# Altium PCB as_x31.PcbDoc (part 3 of 4) (continued)
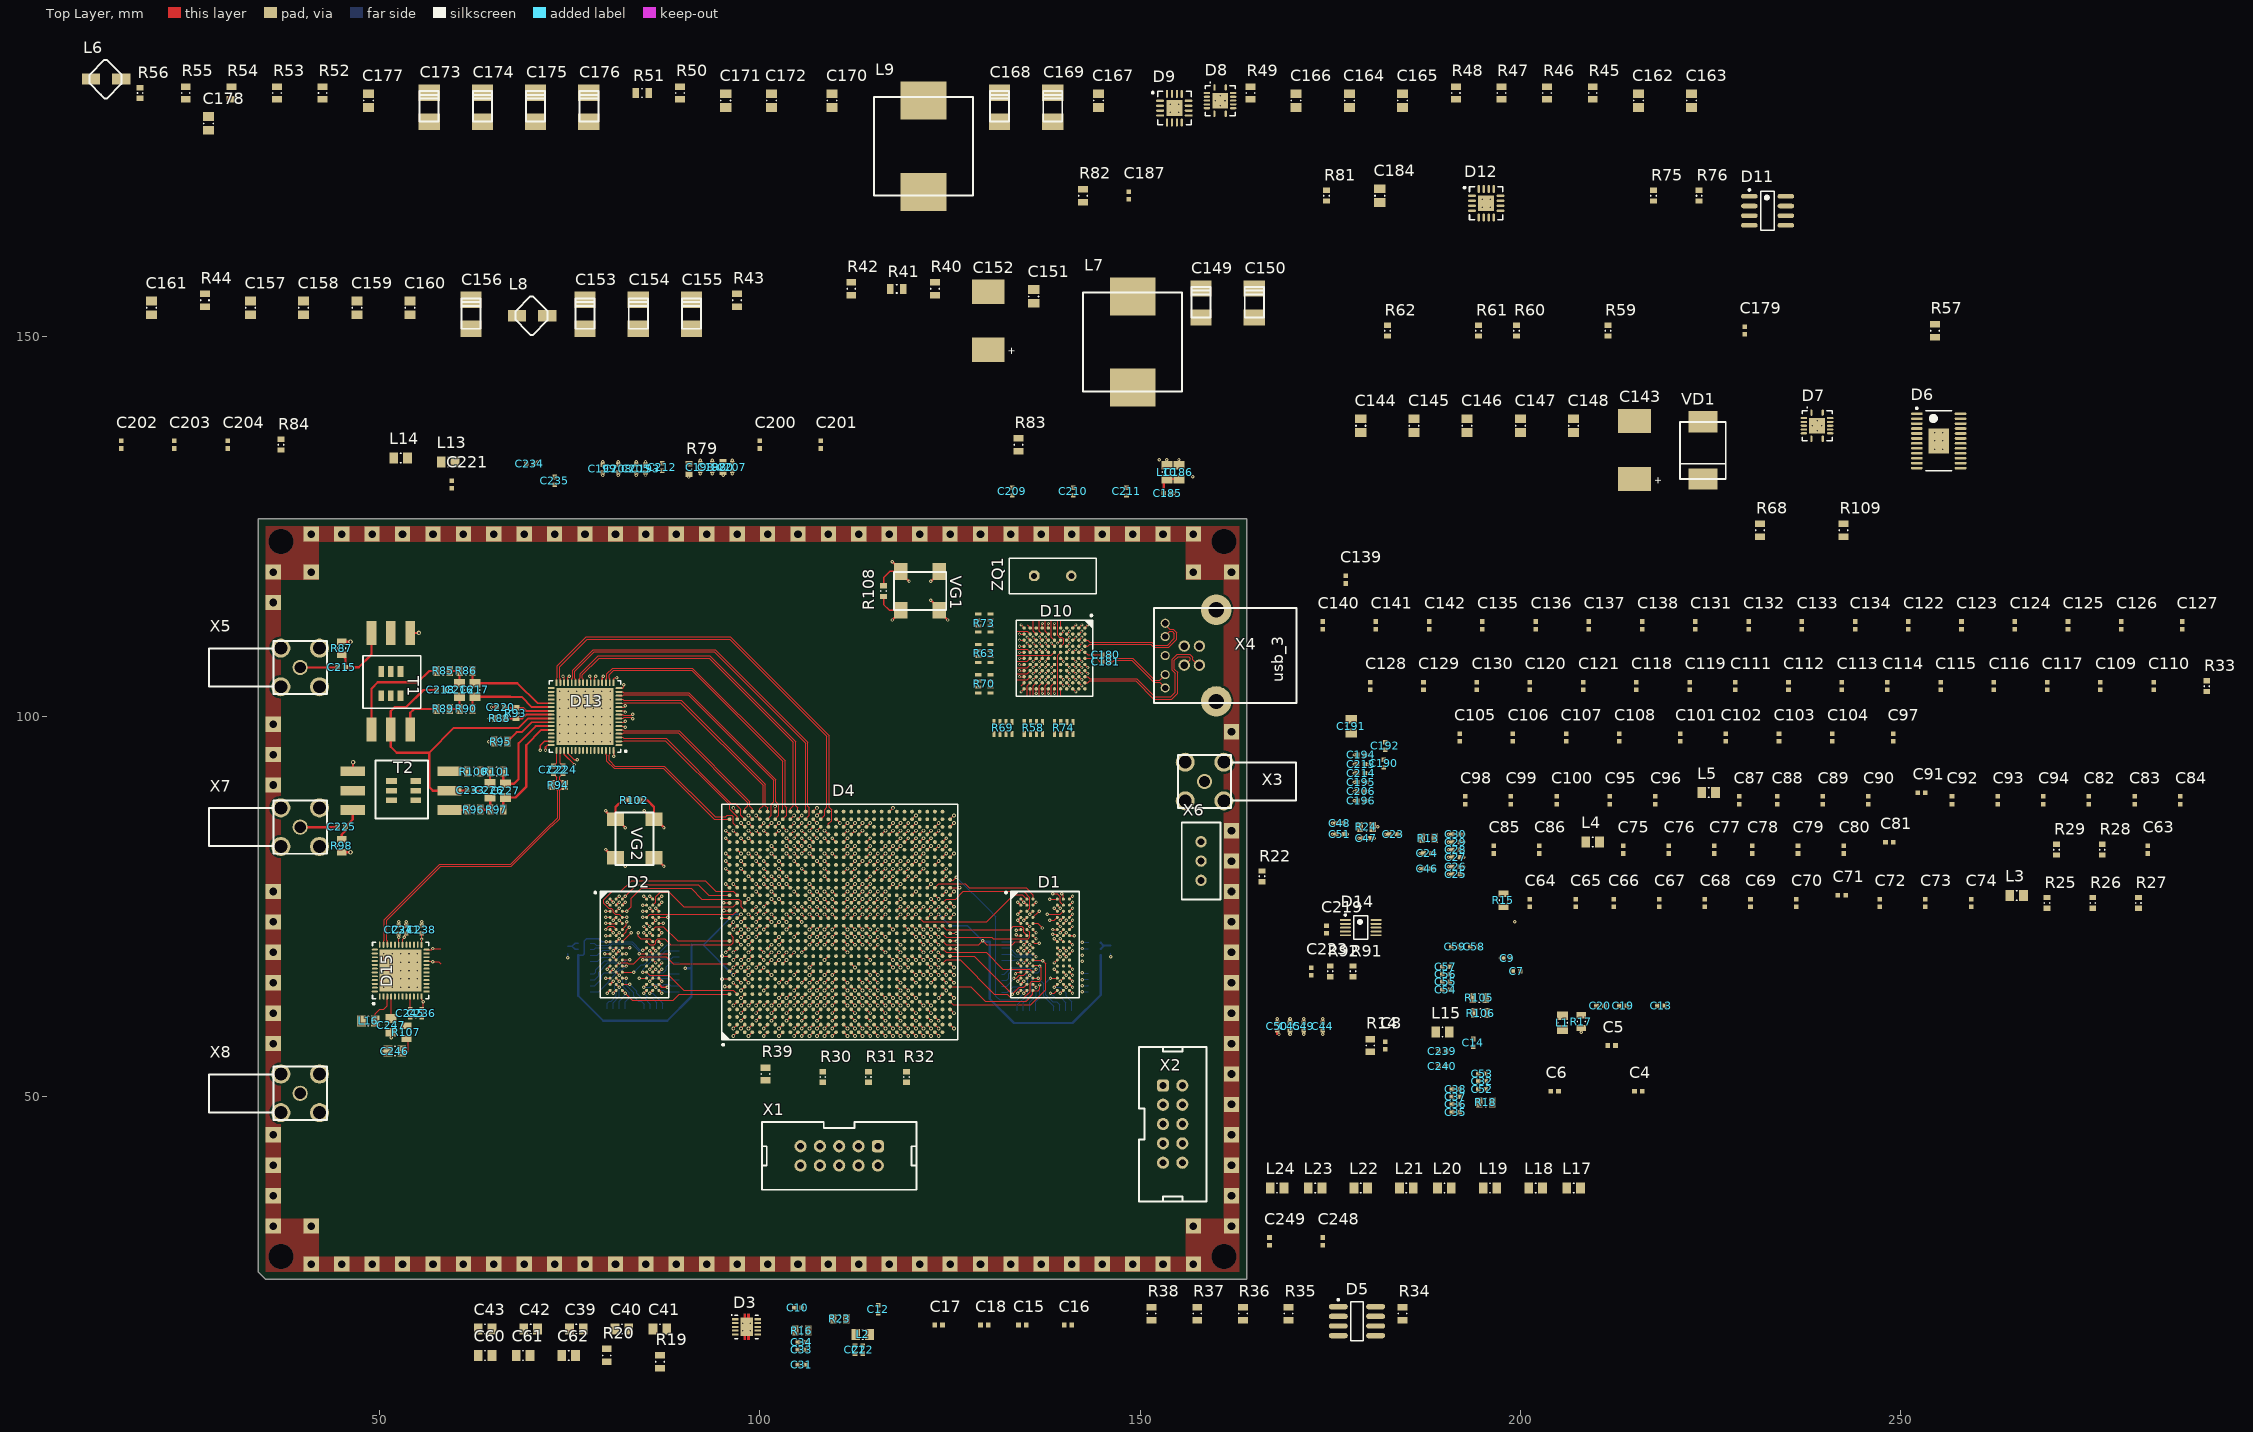
[diagram p0: Top Layer view]
## Nets (pads, with @x,y where several pads share a name; then routed paths per layer and width w, separated by ;. In a path a pad name is that pad's centre, name@x,y a point inside that pad or via, vN(x,y) a via of type N, cw(c..) or ccw(c..) an arc to the next point about the centre after c; other vN are vias at no path point) (continued)
  Top Layer w0.125: v4(137.529,105.646) D10.G8@137.929,106.046
D16: D10.K2 R65.8 | length 1.9
  Top Layer w0.1: 133.829,111.246 135.129,111.246 D10.K2@135.529,110.846
D17: D10.J4 R65.7 | length 3.9
  Top Layer w0.125: v4(135.929,109.646) D10.J4@136.329,109.246
  int_1 w0.125: 133.829,111.646 134.629,111.646 135.529,110.746 135.529,110.046 v4(135.929,109.646)
D18: D10.K1 R65.6 | length 0.6
  Top Layer w0.125: 135.129,112.046 D10.K1@135.529,111.646
D19: D10.J2 R65.5 | length 1.9
  Top Layer w0.1: 135.929,112.546 135.929,111.246 D10.J2@136.329,110.846
D20: D10.J3 R66.8 | length 3.9
  Top Layer w0.125: v4(135.929,110.446) D10.J3@136.329,110.046
  int_1 w0.125: 133.829,112.546 134.376,112.546 135.929,110.993 v4(135.929,110.446)
D21: D10.J1 R66.7
D22: D10.H2 R66.6 | length 1.9
  Top Layer w0.1: 136.729,112.546 136.729,111.246 D10.H2@137.129,110.846
D23: D10.H3 R66.5 | length 3.5
  Top Layer w0.125: v4(136.729,110.446) D10.H3@137.129,110.046
  int_1 w0.125: 135.329,112.846 136.729,111.446 v4(136.729,110.446)
D24: D10.F4 R67.8 | length 5.9
  Top Layer w0.125: v4(138.329,109.646) D10.F4@138.729,109.246
  int_1 w0.125: 134.829,112.746 136.329,111.246 136.329,110.299 136.582,110.046 137.929,110.046 v4(138.329,109.646)
D25: D10.G2 R67.7 | length 1.9
  Top Layer w0.1: 137.529,112.546 137.529,111.246 D10.G2@137.929,110.846
D26: D10.G3 R67.6 | length 3.6
  Top Layer w0.125: v4(137.529,110.446) D10.G3@137.929,110.046
  int_1 w0.125: 135.979,112.796 137.529,111.246 v4(137.529,110.446)
D27: D10.F3 R67.5 | length 2.7
  Top Layer w0.1: 138.329,112.546 138.329,110.446 D10.F3@138.729,110.046
D28: D10.F5 R72.8 | length 5.1
  Top Layer w0.1: 133.829,108.046 138.329,108.046 D10.F5@138.729,108.446
D29: D10.E1 R72.7 | length 0.9
  Top Layer w0.1: D10.E1@139.529,111.646 139.529,112.546
D30: D10.E5 R72.6 | length 5.9
  Top Layer w0.1: 139.129,102.746 139.129,108.046 D10.E5@139.529,108.446
D31: D10.E4 R72.5 | length 4
  Top Layer w0.1: 139.129,112.546 139.129,110.682 139.366,110.445 139.694,110.445 139.929,110.21 139.929,109.646 D10.E4@139.529,109.246
DDR0_A0: D1.N3 D4.AJ12 R3.6 | length 19.3
  Top Layer w0.125: D4.AJ12@124,69.5 124.5,69 126.6,69 ; 131.95,66.8 135.5,66.8 D1.N3@135.9,66.4
  Top Layer w0.15: 126.6,69 129.75,69 131.95,66.8 ; D1.N3@135.9,66.4 v2(136.3,66.8)
  Bottom Layer w0.125: R3.6@131.8,65.35 132.45,65.35 132.7,65.6 132.7,66.2 133.2,66.7 135.1,66.7 135.3,66.9 136.2,66.9 v2(136.3,66.8)
DDR0_A1: D1.P7 D4.AK12 R11.6 | length 22.1
  Top Layer w0.125: D4.AK12@125,69.5 125.8,69.5 v2(125.8,69.487)
  Top Layer w0.15: v2(138.2,65.6) D1.P7@139.1,65.6
  int_2 w0.125: v2(125.8,69.487) 129.213,69.487 131.8,66.9 134.017,66.9 135.329,65.588 135.671,65.588 135.913,65.829 135.913,66.113 136.188,66.388 137.413,66.388 v2(138.2,65.6)
  Bottom Layer w0.15: v2(138.2,65.6) 137.6,65 137.6,63.4 138.5,62.5 139,62.5 139.4,62.1 R11.6@139.4,61.3
DDR0_A2: D1.P3 D4.AH11 R11.5 | length 21.3
  Top Layer w0.15: D4.AH11@123,68.5 v1(123.5,68) ; D1.P3@135.9,65.6 v2(136.6,65.6)
  int_2 w0.15: v1(123.5,68) 128.3,68 131.525,64.775 135.775,64.775 v2(136.6,65.6)
  Bottom Layer w0.15: v2(136.6,65.6) 137.3,64.9 137.3,63.2 138.6,61.9 R11.5@138.6,61.3
DDR0_A3: D1.N2 D4.AH12 R3.7 | length 17.4
  Top Layer w0.125: v2(133.4,65.6) 133.7,65.6 134.1,66 134.7,66 D1.N2@135.1,66.4
  Top Layer w0.15: v1(122.5,69) 122.407,69 122.562,69 122.562,69.062 D4.AH12@123,69.5
  int_2 w0.125: 131.475,66.025 131.9,65.6 v2(133.4,65.6)
  int_2 w0.15: v1(122.5,69) 123,68.5 129,68.5 131.475,66.025
  Bottom Layer w0.15: R3.7@131.8,64.55 132.45,64.55 133.4,65.5 v2(133.4,65.6)
DDR0_A4: D1.P8 D4.AG13 R6.6 | length 27.7
  Top Layer w0.15: D4.AG13@122,70.5 v1(122.5,70) ; v2(139.5,65.2) D1.P8@139.9,65.6
  int_2 w0.125: 131.4,66.7 131.475,66.625 133.938,66.625 135.226,65.338 135.774,65.338 136.163,65.726 136.163,65.963 136.338,66.138 137.079,66.138 138.029,65.188 139.488,65.188 v2(139.5,65.2)
  int_2 w0.15: v1(122.5,70) 123,69.5 124.1,69.5 124.8,68.8 129.3,68.8 131.4,66.7
  int_1 w0.125: v2(139.5,65.2) 139.5,64.5 140.3,63.7 140.3,63.3 140.8,62.8 141.5,62.8 141.9,63.2 141.9,64.1 v2(142.4,64.6)
  Bottom Layer w0.125: v2(142.4,64.6) 143.15,64.6 R6.6@143.2,64.65
DDR0_A5: D1.P2 D4.AG14 R9.6 | length 21.9
  Top Layer w0.15: D4.AG14@122,71.5 v1(122.5,71) ; D1.P2@135.1,65.6 v2(135.5,66)
  int_2 w0.125: 132.15,67.55 132.55,67.15 134.35,67.15 134.7,66.8 135.1,66.8 135.5,66.4 v2(135.5,66)
  int_2 w0.15: v1(122.5,71) 123,70.5 123.9,70.5 124.4,70 129.7,70 132.15,67.55
  Bottom Layer w0.125: R9.6@134.65,61.3 134.65,62.4 135.8,63.55 135.8,65.7 v2(135.5,66)
DDR0_A6: D1.R8 D4.AK10 R6.7 | length 23.2
  Top Layer w0.15: D4.AK10@125,67.5 v1(125.5,67) ; D1.R8@139.9,64.8 v2(140.3,64.4)
  int_2 w0.15: v1(125.5,67) 127,67 129.975,64.025 134.876,64.025 134.926,63.975 137.674,63.975 138.524,64.825 139,64.825 139.136,64.689 140.011,64.689 v2(140.3,64.4)
  int_1 w0.15: v2(140.3,64.4) 140.6,64.1 140.6,63.499 140.924,63.175 141.276,63.175 141.525,63.424 141.525,64.525 v2(142.4,65.4)
  Bottom Layer w0.15: v2(142.4,65.4) 142.45,65.45 R6.7@143.2,65.45
DDR0_A7: D1.R2 D4.AK11 R9.5 | length 18.3
  Top Layer w0.125: v2(133.2,63.5) 134.1,64.4 134.7,64.4 D1.R2@135.1,64.8
  Top Layer w0.15: D4.AK11@125,68.5 128.2,68.5 v2(133.2,63.5)
  Bottom Layer w0.15: v2(133.2,63.5) 133.2,63.8 133.5,64.1 134.9,64.1 135.2,63.8 135.2,63.45 133.85,62.1 R9.5@133.85,61.3
DDR0_A8: D1.T8 D4.AF11 R6.5 | length 27.4
  Top Layer w0.15: D4.AF11@121,68.5 v1(121.5,68) ; v2(139.5,63.6) D1.T8@139.9,64
  int_2 w0.15: v1(121.5,68) 121.5,67.364 122.414,66.45 122.686,66.45 122.95,66.186 122.95,65.914 123.314,65.55 126.05,65.55 128.9,62.7 138.6,62.7 v2(139.5,63.6)
  int_1 w0.15: v2(139.5,63.6) 140.6,62.5 141.6,62.5 142.4,63.3 v2(142.4,63.8)
  Bottom Layer w0.15: v2(142.4,63.8) 143.15,63.8 R6.5@143.2,63.85
DDR0_A9: D1.R3 D4.AG11 R9.7 | length 20
  Top Layer w0.15: D4.AG11@122,68.5 v1(122.5,68) ; D1.R3@135.9,64.8 v2(136.3,64.4)
  int_2 w0.15: v1(122.5,68) 122.7,68 123.2,67.5 127.7,67.5 130.8,64.4 v2(136.3,64.4)
  Bottom Layer w0.15: R9.7@135.45,61.3 135.45,62.45 136.3,63.3 v2(136.3,64.4)
DDR0_A10: D1.L7 D4.AJ8 R1.6 | length 21.7
  Top Layer w0.15: D4.AJ8@124,65.5 v1(124.5,65) ; v2(138.7,67.6) D1.L7@139.1,68
  int_2 w0.15: v2(138.7,67.6) 139.1,67.2 140,67.2 140.6,67.8 141.6,67.8 v2(142.4,68.6)
  int_1 w0.15: v1(124.5,65) 124.6,65 125.1,65.5 125.8,65.5 126.5,64.8 133.1,64.8 133.3,64.6 134.899,64.6 136.499,66.2 137.9,67.6 v2(138.7,67.6)
DDR0_A11: D1.R7 D4.AK8 R11.8 | length 24
  Top Layer w0.15: D4.AK8@125,65.5 v1(125.5,65) ; v2(138.7,64.4) D1.R7@139.1,64.8
  int_2 w0.15: v1(125.5,65) 128.2,62.3 139.1,62.3 140,63.2 140,63.9 139.5,64.4 v2(138.7,64.4)
  Bottom Layer w0.15: v2(138.7,64.4) 139.5,64.4 140.3,63.6 140.3,63.2 141,62.5 R11.8@141,61.3
DDR0_A12: D1.N7 D4.AJ7 R1.5 | length 21.5
  Top Layer w0.15: D4.AJ7@124,64.5 v1(124.5,64) ; v2(138.7,66.8) D1.N7@139.1,66.4
  int_2 w0.15: v2(138.7,66.8) 140.3,66.8 140.8,67.3 141.9,67.3 v2(142.4,67.8)
  int_1 w0.15: v1(124.5,64) 132.25,64 132.45,64.2 134.9,64.2 135.2,63.9 136.7,63.9 137.7,64.9 137.7,65.8 v2(138.7,66.8)
DDR0_A13: D1.T3 D4.AK7 R9.8 | length 17.7
  Top Layer w0.15: D4.AK7@125,64.5 127.7,64.5 129.6,62.6 135,62.6 135.9,63.5 D1.T3@135.9,64 135.925,63.975 136.575,63.975 136.8,64.2 v2@136.8,64.7
  Bottom Layer w0.15: R9.8@136.25,61.3 136.25,62.5 136.807,63.057 v2(136.807,64.707)
DDR0_A14: D1.T7 D4.AF13 R11.7 | length 26.4
  Top Layer w0.15: D4.AF13@121,70.5 v1(121.5,70) ; v2(138.2,63.6) 138.7,63.6 D1.T7@139.1,64
  int_2 w0.15: v1(121.5,70) 122,69.5 122,67.7 122.25,67.45 122.686,67.45 123.05,67.086 123.05,66.814 123.364,66.5 125.9,66.5 129.4,63 137.6,63 v2(138.2,63.6)
  Bottom Layer w0.15: v2(138.2,63.6) 138.8,63 139.6,63 140.2,62.4 R11.7@140.2,61.3
DDR0_BA0: D1.M2 D4.AH9 R3.5 | length 18.4
  Top Layer w0.15: D4.AH9@123,66.5 v1(123.5,66) ; D1.M2@135.1,67.2 v2(135.5,67.6)
  int_1 w0.15: v1(123.5,66) 124.1,66.6 124.9,66.6 124.95,66.55 126.35,66.55 126.5,66.4 132.4,66.4 132.8,66.8 134.7,66.8 v2(135.5,67.6)
  Bottom Layer w0.15: R3.5@131.8,66.15 132.15,66.15 133,67 134.9,67 v2(135.5,67.6)
DDR0_BA1: D1.N8 D4.AH10 R6.8 | length 5.6
  Top Layer w0.15: D4.AH10@123,67.5 v1(123.5,67) ; D1.N8@139.9,66.4 v2(140.3,66)
  int_1 w0.15: v2(140.3,66) 140.3,66.8 140.8,67.3 141.4,67.3 v2(142.4,66.3)
  Bottom Layer w0.15: v2(142.4,66.3) 142.45,66.25 R6.8@143.2,66.25
DDR0_BA2: D1.M3 D4.AJ10 R3.8 | length 27.7
  Top Layer w0.125: D4.AJ10@124,67.5 124.5,68 126.307,68 ; 132.5,63.5 132.912,63.088 134.771,63.088 135.513,63.829 135.513,64.961 135.74,65.188 136.061,65.188 136.771,65.188 137.013,65.429 137.013,66.988 v2(136.8,67.2) 136.7,67.3 136,67.3 D1.M3@135.9,67.2
  Top Layer w0.15: 126.307,68 130.807,63.5 132.5,63.5
  Bottom Layer w0.125: R3.8@131.8,63.75 132.55,63.75 133.3,64.5 134.8,64.5 135.2,64.9 135.2,65.7 135,65.9 135,66.2 135.3,66.5 135.7,66.5 135.9,66.3 136.5,66.3 136.8,66.6 v2(136.8,67.2)
DDR0_CAS: D1.K3 D4.AF9 R4.6 | length 28
  Top Layer w0.15: D4.AF9@121,66.5 v1(121.5,66) ; D1.K3@135.9,68.8 v2(136.3,68.4)
  int_2 w0.15: v1(121.5,66) 121.5,66.65 121,67.15 121,70.3 121.25,70.55 121.686,70.55 122.05,70.914 122.05,71.186 122.314,71.45 124.25,71.45 124.7,71 130.1,71 132.7,68.4 v2(136.3,68.4)
  Bottom Layer w0.15: R4.6@131.8,69.575 132.825,69.575 133.7,68.7 136,68.7 v2(136.3,68.4)
DDR0_CK_N: D1.K7 D4.AA14 R1.7 | length 40
  Top Layer w0.125: D4.AA14@116,71.5 v1(116.5,71) ; D1.K7@139.1,68.8 v2(139.5,68.4)
  int_1 w0.13: v1(116.5,71) 116.57,71 117.27,70.3 117.27,69 116.6,68.33 116.6,66.4 117.1,65.9 119.433,65.9 120.06,65.273 120.06,64.818 120.318,64.56 120.773,64.56 123.233,62.1 135.8,62.1 139.1,65.4 139.1,66 139.63,66.53 v2@139.63,68.27 ; v2(139.5,68.4) v2@139.63,68.27 ; v2(142.4,69.5) 142.1,69.5 140.585,67.985 139.915,67.985 v2@139.63,68.27
  Bottom Layer w0.125: v2(142.4,69.5) 142.45,69.45 R1.7@143.2,69.45
DDR0_CK_P: D1.J7 D4.Y13 R1.8 | length 41.8
  Top Layer w0.125: D4.Y13@115,70.5 v1(115.5,71) ; D1.J7@139.1,69.6 v2(139.5,69.2)
  int_1 w0.13: v1(115.5,71) 115.772,71 116.287,71.515 116.713,71.515 117.015,71.213 117.015,71.085 117.6,70.5 117.6,68.863 116.93,68.193 116.93,66.537 117.237,66.23 119.57,66.23 120.36,65.44 120.682,65.44 120.94,65.182 120.94,64.86 123.37,62.43 135.663,62.43 138.77,65.537 138.77,66.137 139.3,66.667 139.3,67.8 139.01,68.09 139.01,68.71 v2(139.5,69.2) 139.7,69.4 139.8,69.4 140.815,70.415 141.285,70.415 141.4,70.3 v2(142.4,70.3)
  Bottom Layer w0.125: v2(142.4,70.3) 143.15,70.3 R1.8@143.2,70.25
DDR0_CKE: D1.K9 D4.AK18 R15.2 | length 19.3
  Top Layer w0.125: D1.K9@140.7,68.8 v2(141.1,69.2)
  Top Layer w0.15: D4.AK18@125,75.5 v1(125.5,75)
  int_2 w0.125: v1(125.5,75) 133.717,75 138.717,70 140.3,70 v2(141.1,69.2)
DDR0_CS: D1.L2 D4.Y12 R4.8 | length 28.2
  Top Layer w0.15: D4.Y12@115,69.5 v1(115.5,70) ; v2(134.7,67.6) D1.L2@135.1,68
  int_1 w0.15: v1(115.5,70) 115,70.5 115,71.15 115.014,71.15 115.314,71.45 115.75,71.45 116.2,71.9 116.9,71.9 117.4,71.4 118.464,71.4 121.414,68.45 121.686,68.45 121.95,68.186 121.95,67.914 122.364,67.5 128.8,67.5 129.3,67 132.611,67 132.686,67.075 134.175,67.075 v2(134.7,67.6)
  Bottom Layer w0.15: R4.8@131.8,67.975 133.475,67.975 133.525,68.025 134.275,68.025 v2(134.7,67.6)
DDR0_DM0: D1.E7 D4.AE15 | length 28.9
  Top Layer w0.15: D4.AE15@120,72.5 v1(120.5,72) ; D1.E7@139.1,72.8 v2(139.5,72.4)
  int_1 w0.15: v1(120.5,72) 120,71.5 120,70.7 121.15,69.55 121.65,69.55 121.95,69.25 121.95,68.814 122.314,68.45 128.85,68.45 129.6,67.7 133.1,67.7 133.5,68.1 135.9,68.1 136.1,67.9 136.5,67.9 137,68.4 138,68.4 139.5,69.9 139.8,69.9 140.725,70.825 140.725,71.776 140.101,72.4 v2(139.5,72.4)
DDR0_DM1: D1.D3 D4.AH19 | length 16
  Top Layer w0.15: D4.AH19@123,76.5 v1(123.5,76) ; D1.D3@135.9,73.6 v2(136.7,74.4)
  int_1 w0.15: v1(123.5,76) 123.7,75.8 126.6,75.8 127,76.2 134.9,76.2 v2(136.7,74.4)
DDR0_DQ0: D1.E3 D4.AF15 | length 22.3
  Top Layer w0.15: D4.AF15@121,72.5 v1(121.5,72) ; D1.E3@135.9,72.8 136.5,72.8 v2(137.1,72.2)
  int_1 w0.125: 133.213,69.7 133.7,69.7 134.5,70.5 135.8,70.5 136.513,69.788 137.088,69.788 137.3,70
  int_1 w0.15: v1(121.5,72) 121.95,71.55 125.05,71.55 125.5,72 130.5,72 132.8,69.7 133.213,69.7 ; v2(137.1,72.2) 137.3,72 137.3,70
DDR0_DQ1: D1.F7 D4.AE16 | length 28.3
  Top Layer w0.15: D4.AE16@120,73.5 v1(120.5,74) ; v2(138.5,72) D1.F7@139.1,72
  int_1 w0.125: 138.4,77.6 138.925,77.075 138.925,76.224 138,75.299 138,74.411 138.6,73.811 138.6,72.8 138.5,72.7 v2(138.5,72)
  int_1 w0.15: v1(120.5,74) 121,74.5 121,75.8 122.3,77.1 123.5,77.1 124.1,77.7 125.2,77.7 125.5,78 126.75,78 127.15,77.6 138.4,77.6
DDR0_DQ2: D1.F2 D4.AJ14 | length 13
  Top Layer w0.125: 133.7,70.8 135.248,70.8 135.488,71.04 135.488,71.613 D1.F2@135.1,72
  Top Layer w0.15: D4.AJ14@124,71.5 124.5,71 130.5,71 130.7,70.8 133.7,70.8
DDR0_DQ3: D1.F8 D4.AH15 | length 27.7
  Top Layer w0.15: D4.AH15@123,72.5 v1(123.5,72) ; v2(139.5,71.6) D1.F8@139.9,72
  int_1 w0.125: v1(123.5,72) 123.063,72.437 121.3,72.437 121,72.137 121,70.8 121.3,70.5 121.619,70.5 121.938,70.181 121.938,69.944 122.381,69.5 124.8,69.5 125.3,69 129.3,69
  int_1 w0.15: 129.3,69 129.9,68.4 135.7,68.4 135.875,68.575 ; 135.875,68.576 136.124,68.825 137.625,68.825 139.1,70.3 139.7,70.3 140,70.6 140,71.1 v2(139.5,71.6)
DDR0_DQ4: D1.H3 D4.AE17 | length 23.2
  Top Layer w0.15: D4.AE17@120,74.5 v1(120.5,75) ; D1.H3@135.9,70.4 136.1,70.2 v2(136.7,70.2)
  int_1 w0.125: 132.2,73.5 133.2,74.5 134.199,74.5 136.899,71.8 ; v2(136.7,70.2) 136.9,70.4 136.9,71.8
  int_1 w0.15: v1(120.5,75) 120,74.5 120,73.864 120.364,73.5 132.2,73.5
DDR0_DQ5: D1.H8 D4.AD17 | length 30.3
  Top Layer w0.15: D4.AD17@119,74.5 v1(119.5,75) ; v2(139.5,70.8) D1.H8@139.9,70.4
  int_1 w0.125: 138.5,78.1 139.2,77.4 139.2,75.901 138.275,74.976 138.275,74.525 139,73.8
  int_1 w0.15: v1(119.5,75) 122,77.5 123.1,77.5 123.7,78.1 124.9,78.1 125.2,78.4 126.85,78.4 127.15,78.1 138.5,78.1 ; 139,73.8 139,71.3 v2(139.5,70.8)
DDR0_DQ6: D1.G2 D4.AJ15 | length 12.3
  Top Layer w0.125: 132.9,72 133.3,72.4 134.448,72.4 134.688,72.161 134.688,71.613 D1.G2@135.1,71.2
  Top Layer w0.15: D4.AJ15@124,72.5 124.5,72 132.9,72
DDR0_DQ7: D1.H7 D4.AF14 | length 20.3
  Top Layer w0.15: D4.AF14@121,71.5 v1(121.5,71) ; v2(138.7,70.8) D1.H7@139.1,70.4
  int_1 w0.125: v1(121.5,71) 121.95,70.55 123.586,70.55 124.236,69.9 130.9,69.9
  int_1 w0.15: 130.9,69.9 132.1,68.7 135.601,68.7 135.925,69.024 136.1,69.2 137.1,69.2 v2(138.7,70.8)
DDR0_DQ8: D1.D7 D4.AK17 | length 16.5
  Top Layer w0.15: v1(124.5,75) D4.AK17@125,74.5 ; v2(138.1,73.2) 138.7,73.2 D1.D7@139.1,73.6
  int_1 w0.125: 132.5,74.7 132.7,74.9 135.201,74.9 136.901,73.2 v2(138.1,73.2)
  int_1 w0.15: v1(124.5,75) 124.95,74.55 125.85,74.55 126,74.7 132.5,74.7
DDR0_DQ9: D1.C3 D4.AK16 | length 1.3
  Top Layer w0.15: D4.AK16@125,73.5 v1(125.5,74) ; v2(135.5,74) D1.C3@135.9,74.4
DDR0_DQ10: D1.C8 D4.AG17 | length 19.3
  Top Layer w0.125: v2(137.8,74) 139.5,74
  Top Layer w0.15: D4.AG17@122,74.5 v1(122.5,75) ; 139.5,74 D1.C8@139.9,74.4
  int_1 w0.125: 133.2,75.5 133.55,75.15 135.349,75.15 136.799,73.7 137.5,73.7 v2(137.8,74)
  int_1 w0.15: v1(122.5,75) 123,75.5 133.2,75.5
DDR0_DQ11: D1.C2 D4.AJ18 | length 14.4
  Top Layer w0.125: D4.AJ18@124,75.5 124.5,76 125.75,76 ; 134.7,77 135.5,76.2 135.5,74.8 D1.C2@135.1,74.4
  Top Layer w0.15: 125.75,76 126.75,77 134.7,77
DDR0_DQ12: D1.A7 D4.AG16 | length 21.1
  Top Layer w0.15: D4.AG16@122,73.5 v1(122.5,74) ; v2(138.1,76) D1.A7@139.1,76
  int_1 w0.15: v1(122.5,74) 122,74.5 122,76.3 122.3,76.6 123.8,76.6 124.325,76.075 126.451,76.075 126.976,76.6 135.7,76.6 136.275,76.025 138.075,76.025 v2(138.1,76)
DDR0_DQ13: D1.A2 D4.AF16 | length 16
  Top Layer w0.125: 129.8,73 133.4,76.6 134.5,76.6 D1.A2@135.1,76
  Top Layer w0.15: D4.AF16@121,73.5 121.5,73 129.8,73
DDR0_DQ14: D1.B8 D4.AJ19 | length 17.8
  Top Layer w0.125: v2(138.5,76.7) 139.1,76.7 139.5,76.3 139.5,75.6 D1.B8@139.9,75.2
  Top Layer w0.15: D4.AJ19@124,76.5 v1(124.5,77)
  int_1 w0.125: 136.1,77 136.4,76.7 v2(138.5,76.7)
  int_1 w0.15: v1(124.5,77) 125.15,76.35 126.25,76.35 126.9,77 136.1,77
DDR0_DQ15: D1.A3 D4.AH20 | length 14.3
  Top Layer w0.15: D4.AH20@123,77.5 123.5,78 127,78 127.5,77.5 135,77.5 135.9,76.6 D1.A3@135.9,76
DDR0_DQS0_N: D1.G3 D4.AA16 | length 22.6
  Top Layer w0.125: D4.AA16@116,73.5 v1(116.5,74) ; D1.G3@135.9,71.2 v2(136.3,70.8)
  int_1 w0.13: v1(116.5,74) 116.933,74 118.133,72.8 123.533,72.8 130.733,72.8 133.033,70.5 134,70.5 134.3,70.8 v2(136.3,70.8)
DDR0_DQS0_P: D1.F3 D4.Y16 | length 24.1
  Top Layer w0.125: D4.Y16@115,73.5 v1(115.5,74) ; D1.F3@135.9,72 v2(136.3,71.6)
  int_1 w0.13: v1(115.5,74) 116.015,74.515 116.885,74.515 118.27,73.13 130.87,73.13 133.17,70.83 133.863,70.83 134.163,71.13 135.463,71.13 135.933,71.6 v2(136.3,71.6)
DDR0_DQS1_N: D1.B7 D4.Y18 | length 32
  Top Layer w0.125: D4.Y18@115,75.5 v1(115.5,76) ; D1.B7@139.1,75.2 v2(139.5,74.8)
  int_1 w0.13: v1(115.5,76) 116,76.5 117.133,76.5 117.433,76.8 119.1,76.8 121.2,78.9 123.6,78.9 124.2,79.5 125.233,79.5 125.463,79.73 138.037,79.73 140.6,77.167 140.6,75.5 139.9,74.8 v2(139.5,74.8)
DDR0_DQS1_P: D1.C7 D4.Y17 | length 32
  Top Layer w0.125: D4.Y17@115,74.5 v1(115.5,75) ; v2(138.7,74.8) D1.C7@139.1,74.4
  int_1 w0.13: v1(115.5,75) 116,75.5 116.622,75.5 117.3,76.178 117.3,76.2 117.57,76.47 119.237,76.47 121.327,78.56 124.76,78.56 125.6,79.4 137.9,79.4 140.2,77.1 140.2,75.7 139.9,75.4 139.3,75.4 v2(138.7,74.8)
DDR0_ODT: D1.K1 D4.AH14 | length 12.4
  Top Layer w0.15: D4.AH14@123,71.5 v1(123.5,71) ; v2(133.9,69.2) D1.K1@134.3,68.8
  int_1 w0.15: v1(123.5,71) 130.5,71 132.3,69.2 v2(133.9,69.2)
DDR0_RAS: D1.J3 D4.AG9 R4.5 | length 29.4
  Top Layer w0.15: D4.AG9@122,66.5 v1(122.5,66) ; v2(135.5,70) D1.J3@135.9,69.6
  int_2 w0.15: v1(122.5,66) 122.136,66 121.686,65.55 121.314,65.55 121,65.864 121,66.6 120.05,67.55 120.05,69.75 121.05,70.75 121.05,71.186 121.314,71.45 121.586,71.45 122.05,71.914 122.05,72.186 122.314,72.45 130.55,72.45 132.3,70.7 134.8,70.7 v2(135.5,70)
  Bottom Layer w0.15: R4.5@131.8,70.375 134.275,70.375 134.5,70.6 134.9,70.6 v2(135.5,70)
DDR0_RESET_N: D1.T2 D4.AK21 R17.2 | length 23.6
  Top Layer w0.125: D4.AK21@125,78.5 125.4,78.5 v2(125.8,78.9)
  Top Layer w0.15: v2(134.7,63.6) D1.T2@135.1,64
  Bottom Layer w0.125: v2(125.8,78.9) 130,74.7
  Bottom Layer w0.15: 130,74.7 131,73.7 131,63.25 131.5,62.75 133.85,62.75 v2(134.7,63.6)
DDR0_WE: D1.L3 D4.AK5 R4.7 | length 24.5
  Top Layer w0.125: D4.AK5@125,62.5 125.4,62.1 135.6,62.1 137.6,64.1 137.6,66.3 137.6,67.5 v2(137.2,67.9) ; D1.L3@135.9,68 135.913,67.988 v2@137.113,67.988
  Bottom Layer w0.15: R4.7@131.8,68.775 133.125,68.775 133.5,68.4 135.5,68.4 136,67.9 v2(137.2,67.9)
DDR1_A0: D2.N3 D4.B11 R7.7 | length 24.7
  Top Layer w0.125: D2.N3@81.9,66.4 v2(83.4,66.4)
  Top Layer w0.15: v1(96.5,68) D4.B11@97,68.5
  int_2 w0.125: v2(83.4,66.4) 83.4,65.6 83.9,65.1 84.3,65.1 85.5,66.3 87.6,66.3 88.4,67.1 89,67.1
  int_2 w0.15: 89,67.1 89.4,67.5 95.7,67.5 96.2,68 v1(96.5,68)
  Bottom Layer w0.125: v2(83.4,66.4) 84.4,67.4 84.8,67.4 85.8,68.4 86.8,68.4 87.613,69.213 89.387,69.213 R7.7@89.4,69.2
DDR1_A1: D2.P7 D4.A11 R12.8 | length 20.7
  Top Layer w0.125: v2(84.1,65.6) D2.P7@85.1,65.6
  Top Layer w0.15: v1(95,68.5) D4.A11@96,68.5
  int_2 w0.15: v2(84.1,65.6) 84.1,66.899 85.601,68.4 87.6,68.4 87.9,68.1 88.3,68.1 88.7,68.5 v1(95,68.5)
  Bottom Layer w0.15: v2(84.1,65.6) 84.9,65.6 85.2,65.9 87.8,65.9 88.1,66.2 R12.8@89.4,66.2
DDR1_A2: D2.P3 D4.F9 R8.5 | length 28.8
  Top Layer w0.125: D2.P3@81.9,65.6 v2(82.4,65.6)
  Top Layer w0.15: D4.F9@101,66.5 v1(101.5,66)
  int_1 w0.15: v2(82.4,65.6) 82.9,65.6 83.6,64.9 83.6,64 85.1,62.5 98,62.5 v1(101.5,66)
  Bottom Layer w0.15: v2(82.4,65.6) 82.4,64.699 83.4,63.699 83.4,63.2 84,62.6 84.4,62.6 84.8,62.2 R8.5@84.8,61.6
DDR1_A3: D2.N2 D4.E10 R10.8 | length 33.4
  Top Layer w0.125: D2.N2@81.1,66.4 v2(81.5,66)
  Top Layer w0.15: v1(99.5,67) D4.E10@100,67.5
  int_2 w0.15: v2(81.5,66) 80.7,66 80.2,65.5 80.2,64.9 83.8,61.3 95.1,61.3 97.3,63.5 98.4,63.5 99.9,65 99.9,66.6 v1(99.5,67)
  Bottom Layer w0.15: v2(81.5,66) 81.975,65.525 81.975,64.525 82.475,64.025 ; R10.8@82.3,61.6 82.3,62.5 82.8,63 82.8,63.701 82.476,64.025
DDR1_A4: D2.P8 D4.F16 R12.7 | length 26.5
  Top Layer w0.125: v2(85.5,65.2) D2.P8@85.9,65.6
  Top Layer w0.15: D4.F16@101,73.5 v1(101.5,73)
  int_2 w0.125: v2(85.5,65.2) 86.3,66 92.4,66 93.2,66.8
  int_2 w0.15: 93.2,66.8 95.6,66.8 96.3,67.5 97.636,67.5 97.95,67.814 97.95,68.086 98.314,68.45 98.75,68.45 99,68.7 99,69.2 99.3,69.5 100.3,69.5 101,70.2 101,72.5 v1(101.5,73)
  Bottom Layer w0.125: v2(85.5,65.2) 85.913,65.613 87.787,65.613 88,65.4 R12.7@89.4,65.4
DDR1_A5: D2.P2 D4.E16 R10.5 | length 30.5
  Top Layer w0.125: D2.P2@81.1,65.6 v2(81.5,65.2)
  Top Layer w0.15: v1(99.5,73) D4.E16@100,73.5
  int_2 w0.15: v2(81.5,65.2) 81.975,65.675 81.975,66.174 83,67.199 83,67.499 83.6,68.099 83.6,69 84.6,70 86.499,70 86.924,69.575 87.276,69.575 87.701,70 91.5,70 92,70.5 99.8,70.5 100,70.7 100,72.5 v1(99.5,73)
  Bottom Layer w0.15: R10.5@79.9,61.6 79.9,62.3 80.2,62.6 80.425,62.6 81.125,63.3 81.125,63.975 80.9,64.2 80.9,64.6 v2(81.5,65.2)
DDR1_A6: D2.R8 D4.D9 R12.5 | length 19.4
  Top Layer w0.125: D2.R8@85.9,64.8 v2(86.3,64.4)
  Top Layer w0.15: v1(98.5,66) D4.D9@99,66.5
  int_2 w0.125: v2(86.3,64.4) 86.3,63.6 86.8,63.1 91.3,63.1 94.2,66 95.5,66 96,65.5 96.9,65.5 97.4,66 v1(98.5,66)
  Bottom Layer w0.125: v2(86.3,64.4) 86.687,64.013 87.271,64.013 87.483,63.8 R12.5@89.4,63.8
DDR1_A7: D2.R2 D4.C10 R10.6 | length 21.7
  Top Layer w0.125: D2.R2@81.1,64.8 v2(81.5,64.4)
  Top Layer w0.15: v1(97.5,67) D4.C10@98,67.5
  int_2 w0.125: v2(81.5,64.4) 81.512,64.387 83.987,64.387 84.6,65 85,65 85.212,64.788 85.788,64.788 86.7,65.7 93,65.7
  int_2 w0.15: 93,65.7 93.7,66.4 95.7,66.4 95.8,66.5 97,66.5 v1(97.5,67)
  Bottom Layer w0.15: R10.6@80.7,61.6 80.7,62.4 81.5,63.2 v2(81.5,64.4)
DDR1_A8: D2.T8 D4.E12 R8.8 | length 25.3
  Top Layer w0.125: v2(85.5,63.6) D2.T8@85.9,64
  Top Layer w0.15: D4.E12@100,69.5 v1(100.5,69)
  int_2 w0.125: v2(85.5,63.6) 85.5,63.1 86.4,62.2 93.694,62.2 95.931,64.437 96.737,64.437 97.062,64.762 97.062,65.2 97.425,65.562 98.681,65.562 98.937,65.819 98.937,66.181 98.681,66.437 98.444,66.437 98.063,66.819 98.063,67.181 98.444,67.562 98.762,67.562 99.144,67.944 99.444,67.944 v1(100.5,69)
  Bottom Layer w0.125: v2(85.5,63.6) 85.9,63.6 87.2,62.3 R8.8@87.2,61.6
DDR1_A9: D2.R3 D4.D13 R8.6 | length 25.2
  Top Layer w0.125: D2.R3@81.9,64.8 v2(82.9,64.8)
  Top Layer w0.15: v1(98.5,70) D4.D13@99,70.5
  int_2 w0.15: v2(82.9,64.8) 82.9,66.6 83.6,67.3 83.6,67.6 84.175,68.175 ; 84.175,68.176 84.699,68.7 86.9,68.7 87.65,69.45 97.65,69.45 98.2,70 v1(98.5,70)
  Bottom Layer w0.15: v2(82.9,64.8) 83.8,63.9 83.8,63.6 84.4,63 84.8,63 85.6,62.2 R8.6@85.6,61.6
DDR1_A10: D2.L7 D4.B7 R7.8 | length 20.6
  Top Layer w0.125: v2(84.6,68) D2.L7@85.1,68
  Top Layer w0.15: v1(96.5,65) D4.B7@97,64.5
  int_1 w0.125: v2(84.6,68) 85,67.6 85,66.6 85.4,66.2 85.7,66.2 86.2,65.7 87.7,65.7 88.4,65 92,65
  int_1 w0.15: 92,65 v1(96.5,65)
  Bottom Layer w0.15: v2(84.6,68) 85.3,68.7 86.5,68.7 87.8,70 R7.8@89.4,70
DDR1_A11: D2.R7 D4.A8 R12.6 | length 19.1
  Top Layer w0.125: v2(84.7,64.4) D2.R7@85.1,64.8
  Top Layer w0.15: v1(95,65.5) D4.A8@96,65.5
  int_2 w0.125: v2(84.7,64.4) 85.5,64.4 86,63.9 86,63.3 86.6,62.7
  int_2 w0.15: 86.6,62.7 92.2,62.7 v1(95,65.5)
  Bottom Layer w0.125: v2(84.7,64.4) 85.6,64.4 86,64.8 86.117,64.8 86.129,64.813 86.471,64.813 86.583,64.7 87.3,64.7 87.413,64.813 88.071,64.813 88.283,64.6 R12.6@89.4,64.6
DDR1_A12: D2.N7 D4.B6 R7.6 | length 19.4
  Top Layer w0.125: v2(84.6,66.4) D2.N7@85.1,66.4 85.5,66 88,66
  Top Layer w0.15: 88,66 90,64 96.5,64 D4.B6@97,63.5
  Bottom Layer w0.15: v2(84.6,66.4) 84.6,66.7 86.037,68.137 88.337,68.137 88.6,68.4 R7.6@89.4,68.4
DDR1_A13: D2.T3 D4.A6 R10.7 | length 17.3
  Top Layer w0.125: D2.T3@81.9,64 v2(82.3,63.6) 83.2,62.7 88.6,62.7 89.4,63.5 D4.A6@96,63.5
  Bottom Layer w0.125: R10.7@81.5,61.6 81.5,62.6 82.3,63.4 v2(82.3,63.6)
DDR1_A14: D2.T7 D4.E11 R8.7 | length 25.6
  Top Layer w0.125: v2(84.7,63.6) D2.T7@85.1,64
  Top Layer w0.15: D4.E11@100,68.5 v1(100.5,68)
  int_2 w0.125: v2(84.7,63.6) 84.7,63.2 85.7,62.2
  int_2 w0.15: 85.7,62.2 86.2,61.7 94.836,61.7 96.95,63.814 96.95,64.086 97.314,64.45 98.75,64.45 99.4,65.1 99.4,66.4 99.05,66.75 99.05,67.186 99.314,67.45 99.95,67.45 v1(100.5,68)
  Bottom Layer w0.15: v2(84.7,63.6) 85.3,63 85.8,63 86.4,62.4 R8.7@86.4,61.6
DDR1_BA0: D2.M2 D4.A10 R5.6 | length 20.9
  Top Layer w0.125: D2.M2@81.1,67.2 v2(81.5,67.6) 81.512,67.613 82.571,67.613 82.683,67.5 83.4,67.5 84.313,68.413 87.687,68.413 87.7,68.4
  Top Layer w0.15: 87.7,68.4 88.6,67.5 D4.A10@96,67.5
  Bottom Layer w0.125: R5.6@77.7,65.4 78.3,65.4 78.8,65.9 78.8,66.4 80,67.6 v2(81.5,67.6)
DDR1_BA1: D2.N8 D4.F15 R7.5 | length 24.3
  Top Layer w0.125: D2.N8@85.9,66.4 v2(86.3,66.8)
  Top Layer w0.15: v1(100.5,72) D4.F15@101,72.5
  int_2 w0.15: v2(86.3,66.8) 85.7,67.4 85.7,67.8 85.925,68.025 87.475,68.025 87.8,67.7 88.4,67.7 88.7,68 95.3,68 95.85,68.55 96.686,68.55 97.136,69 97.8,69 98.3,69.5 98.8,69.5 99.3,70 100.1,70 100.5,70.4 v1(100.5,72)
  Bottom Layer w0.15: v2(86.3,66.8) 86.8,66.3 87.3,66.3 87.7,66.7 87.7,67.1 88.2,67.6 R7.5@89.4,67.6
DDR1_BA2: D2.M3 D4.E15 R5.8 | length 27.3
  Top Layer w0.125: D2.M3@81.9,67.2 v2(82.4,67.2)
  Top Layer w0.15: v1(99.5,72) D4.E15@100,72.5
  int_2 w0.15: v2(82.4,67.2) 82.4,68.199 82.825,68.624 83.325,69.125 83.325,69.425 84.5,70.6 90.8,70.6 91.7,71.5 99,71.5 v1(99.5,72)
  Bottom Layer w0.125: R5.8@77.7,63.8 78.8,63.8 80.2,65.2 80.2,65.35 81.55,66.7 81.9,66.7 v2(82.4,67.2)
DDR1_CAS: D2.K3 D4.C9 R5.5 | length 25.5
  Top Layer w0.125: D2.K3@81.9,68.8 v2(82.4,68.8)
  Top Layer w0.15: D4.C9@98,66.5 v1(98.5,67)
  int_1 w0.125: v2(82.4,68.8) 82.8,68.8 83.713,69.713 86.804,69.713 86.929,69.588 87.271,69.588 87.396,69.713 92.087,69.713 93.8,68 95.5,68 96,68.5 96.7,68.5 97.062,68.138 97.062,67.781 97.344,67.5 98,67.5 v1(98.5,67)
  Bottom Layer w0.125: R5.5@77.7,66.2 78.2,66.2 78.4,66.4 78.4,66.7 79.6,67.9 81,67.9 81.9,68.8 v2(82.4,68.8)
DDR1_CK_N: D2.K7 D4.M8 R2.6 | length 34.3
  Top Layer w0.125: v2(84.1,68.8) 84.5,68.8 D2.K7@85.1,68.8
  Top Layer w0.15: v1(106.5,65) D4.M8@107,65.5
  int_1 w0.13: v2(84.1,68.8) 84.7,68.8 85.2,68.3 87.4,68.3 87.8,67.9 90.383,67.9 92.313,65.97 95.908,65.97 96.318,65.56 96.682,65.56 97.092,65.97 97.908,65.97 98.318,65.56 98.682,65.56 99.1,65.978 99.1,66 100.878,66 101.448,66.57 104.93,66.57 v1(106.5,65)
  Bottom Layer w0.125: R2.6@77.7,69.4 78.2,69.4 78.435,69.635 80.135,69.635 80.6,70.1 83.113,70.1 84.1,69.113 v2(84.1,68.8)